# Altium PCB environment.PcbDoc
Units mm, origin at the board's own origin, x right, y up, seen from the top; angles counter-clockwise.
Board outline 92.27 x 90.27 mm, 2 copper layers (Top Layer, Bottom Layer); 142 components, 100 nets, 486 pads, 108 vias.
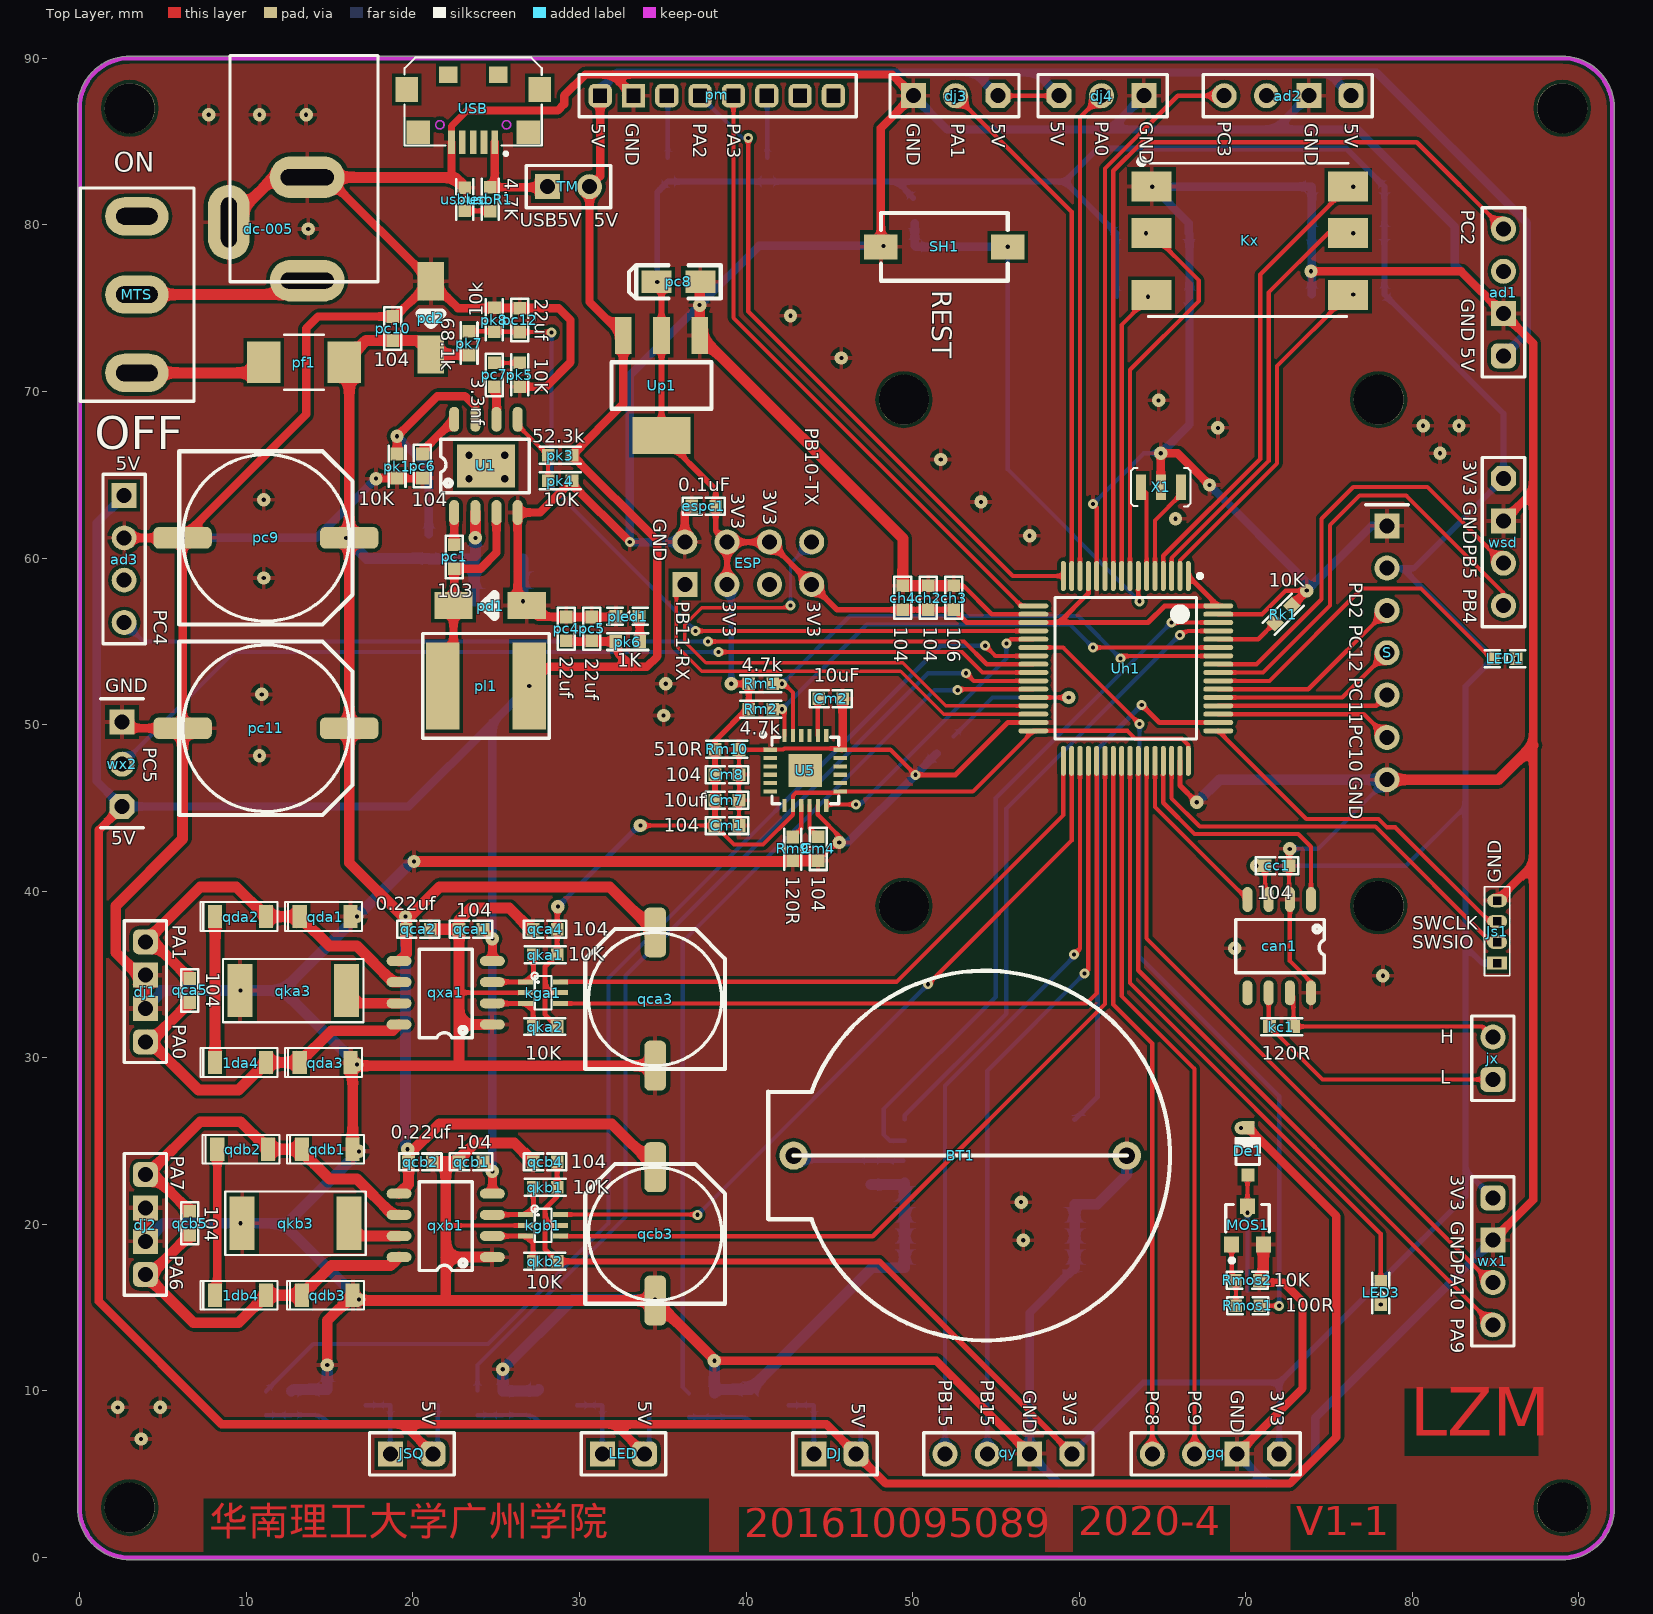
[diagram p0: Top Layer view]
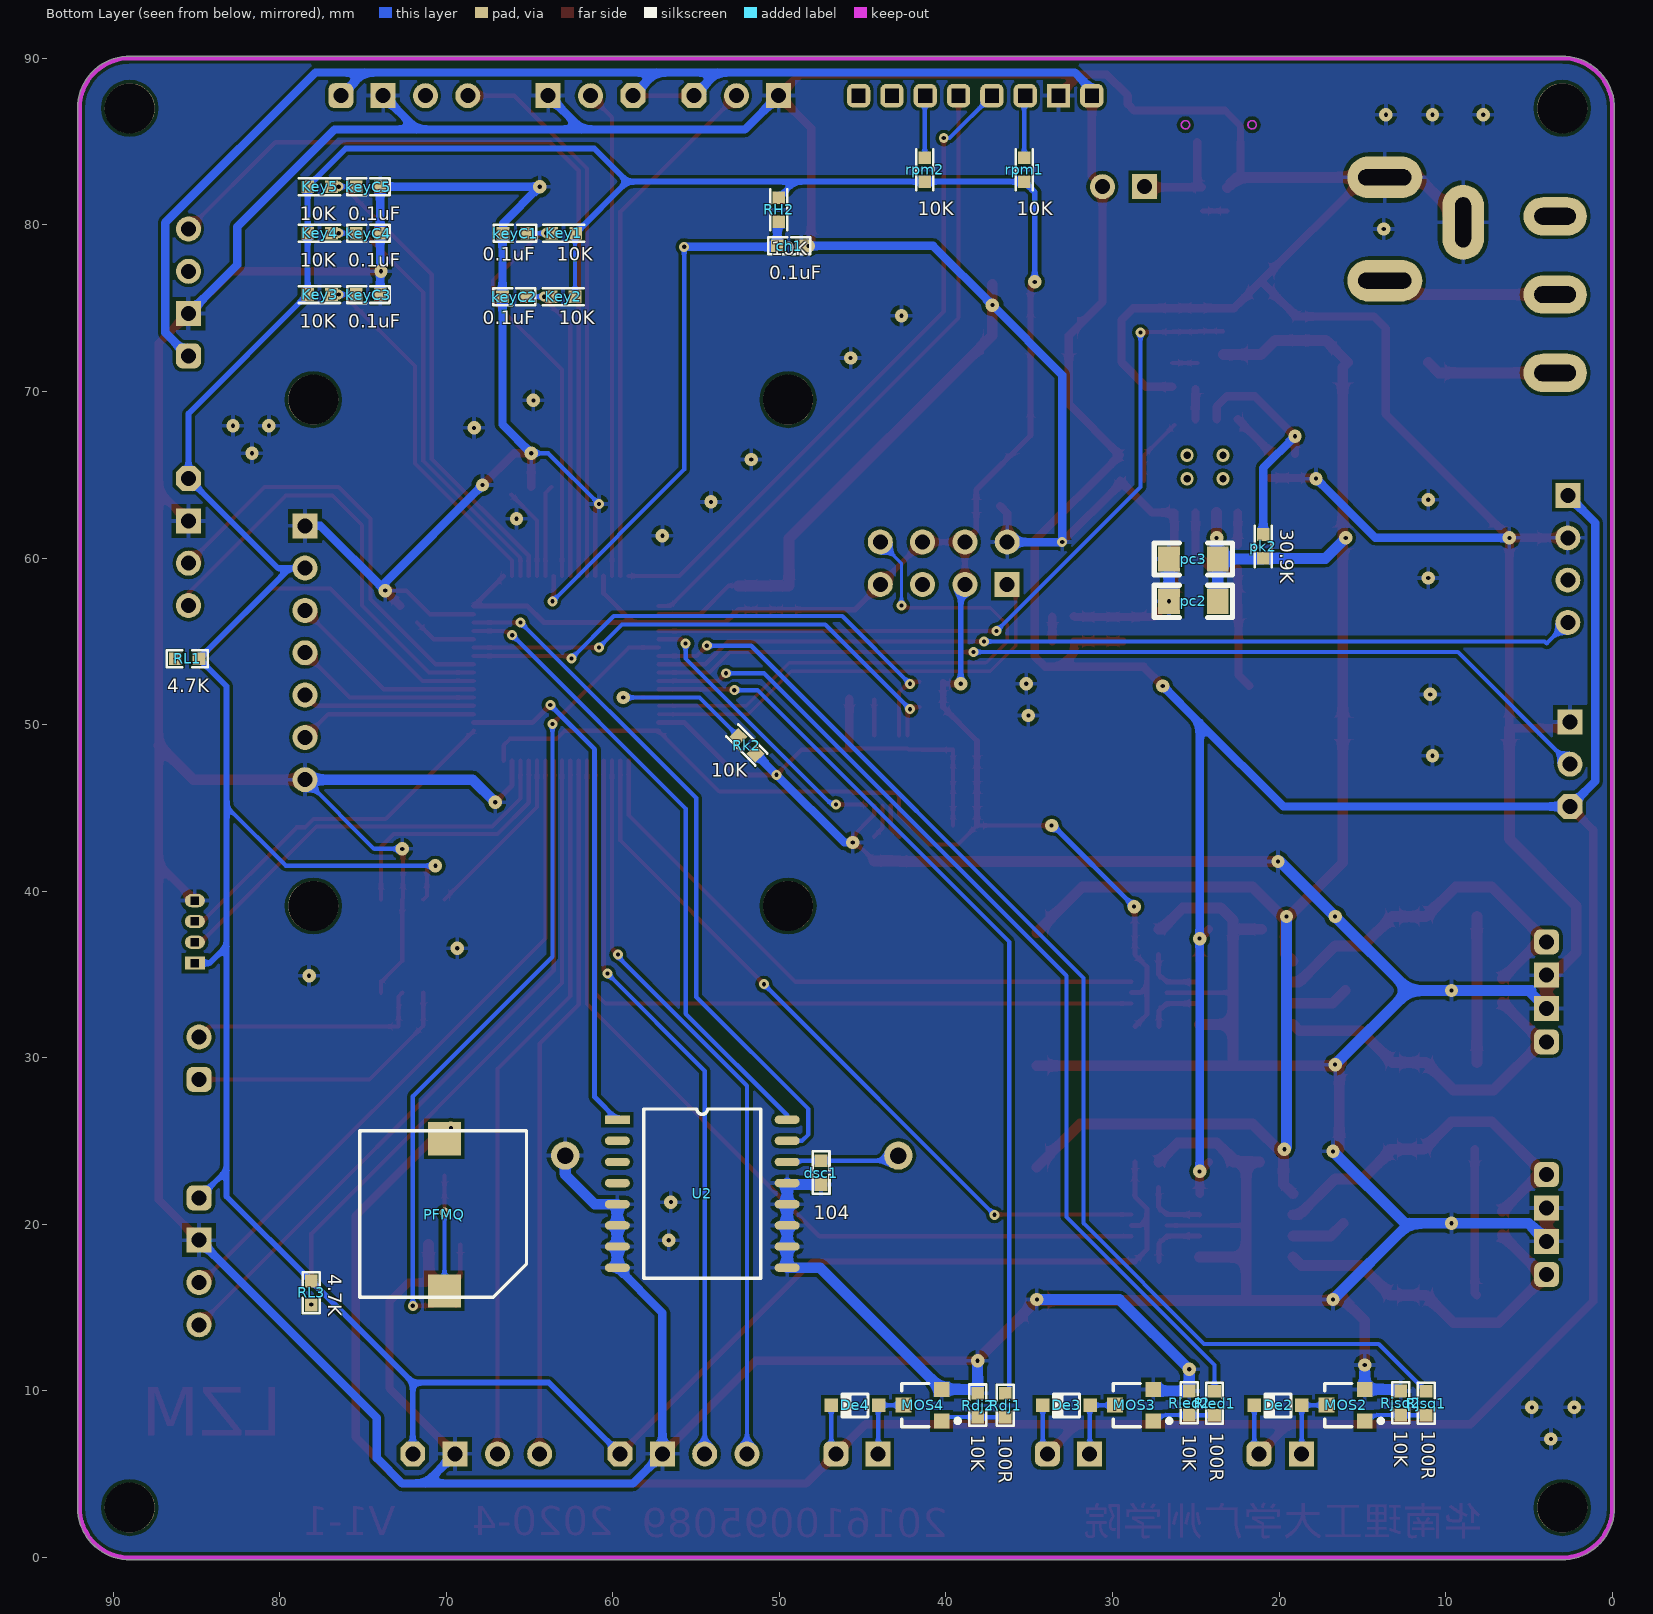
[diagram p1: Bottom Layer view, seen from below]

## Layer stack, top to bottom
Top Solder: solder mask 0.0102, Solder Resist, Dk 3.5
Top Layer: signal copper 0.0356
Dielectric 1: dielectric 0.32, FR-4, Dk 4.8
Bottom Layer: signal copper 0.0356
Bottom Solder: solder mask 0.0102, Solder Resist, Dk 3.5

## Board outline
-0.134,3.05 ccw(c3,3) 3.05,-0.134 ccw(c3.048,-0.006) 3.088,-0.127 88.912,-0.127 ccw(c88.952,-0.006) 88.95,-0.134 ccw(c89,3) 92.134,3 ccw(c89,3) 92.134,3.05 ccw(c92.006,3.048) 92.127,3.088 92.127,86.912 ccw(c92.006,86.952) 92.134,86.95 ccw(c89,87) 92.134,87 ccw(c89,87) 88.95,90.134 ccw(c88.952,90.006) 88.912,90.127 3.088,90.127 ccw(c3.048,90.006) 3.05,90.134 ccw(c3,87) -0.134,86.95 ccw(c-0.006,86.952) -0.127,86.912 -0.127,3.088 ccw(c-0.006,3.048)

## Design rules (kind name [scope] priority, off if disabled: settings)
Clearance [All] p1: gap=0.2
PolygonConnect [All] p1: connectstyle=Relief reliefconductorwidth=0.254 reliefentries=4 polygonreliefangle="90 Angle" airgapwidth=0.254
RoutingVias [All] p1: holewidth=0.711 width=1.27 viastyle="Through Hole" minholewidth=0.711 minwidth=1.27 maxholewidth=0.711 maxwidth=1.27
SolderMaskExpansion [All] p1: expansion=0.102
Width Width_1 [InNet('3V3')] p1: maxlimit=1 minlimit=0.2 preferedwidth=0.3
Width [All] p2: maxlimit=1 minlimit=0.2 preferedwidth=0.254
30 further rules are at their usual default settings.

## Components (designator, comment, footprint, x,y, rotation, side; value= is the part's Value field where it differs from the comment)
1da4 "dsk14" SOD-123 9.652,29.718 r180 top
1db4 "dsk14" SOD-123 9.652,15.748 r180 top
ad1 "ad输入" HDR1X4#1 85.471,72.136 r90 top
ad2 "ad输入" HDR1X4#1 76.327,87.757 r180 top
ad3 "ad输入" HDR1X4#2 2.667,63.754 r270 top
BT1 "VBAT" CR2032 54.356,24.13 r180 top
can1 "SN65HVD230" SOIC-8 72.009,36.703 r270 top
cc1 "104" C0603 71.882,41.529 r180 top
ch1 "0.1uF" C0603 49.403,78.74 r0 bottom
ch2 "104" C0603 50.94,57.62 r90 top
ch3 "106" C0603 52.464,57.62 r90 top
ch4 "104" C0603 49.416,57.62 r270 top
Cm1 "104" C0603 38.862,43.942 r180 top
Cm2 "10uF" C0603 45.085,51.562 r180 top
Cm4 "104" C0603 44.323,42.545 r90 top
Cm7 "10uf" C0603 38.862,45.466 r180 top
Cm8 "104" C0603 38.862,46.99 r180 top
dc-005 "3.5*1.3" DC-005 11.303,79.756 r270 top
De1 "BAT54WS" SOD-323 70.129,24.384 r270 top
De2 "BAT54WS" SOD-323 20.066,9.144 r180 bottom
De3 "BAT54WS" SOD-323 32.766,9.144 r180 bottom
De4 "BAT54WS" SOD-323 45.466,9.144 r180 bottom
DJ "电机" HDR1X2_2.54#1 46.609,6.223 r180 top
dj1 "接口" HDR1X4_2.0 3.937,36.957 r270 top
dj2 "接口" HDR1X4_2.0 3.937,22.987 r270 top
dj3 "舵机" HDR1X3_2.54 55.118,87.757 r180 top
dj4 "舵机" HDR1X3_2.54 58.801,87.757 r0 top
dsc1 "104" C0603 47.498,23.114 r270 bottom
ESP "Header 2X4" HDE2X4_2.54 36.322,58.42 r0 top
espc1 "0.1uF" C0603 37.465,63.119 r180 top
gq "光照强度" HDR1X4#3 72.009,6.223 r180 top
Js1 "SWD" 1X4_1_25 85.09,35.687 r90 top
JSQ "加湿器" HDR1X2_2.54#1 21.209,6.223 r180 top
jx "两脚接口" HDR1X2_2.54#2 84.836,31.242 r270 top
kc1 "120R" R0603 72.136,31.877 r0 top
Key1 "10K" R0603 62.954,79.504 r180 bottom
Key2 "10K" R0603 62.992,75.692 r180 bottom
Key3 "10K" R0603 77.597,75.819 r0 bottom
Key4 "10K" R0603 77.597,79.502 r0 bottom
Key5 "10K" R0603 77.597,82.296 r0 bottom
keyC1 "0.1uF" C0603 65.875,79.504 r180 bottom
keyC2 "0.1uF" C0603 65.913,75.692 r180 bottom
keyC3 "0.1uF" C0603 74.676,75.819 r0 bottom
keyC4 "0.1uF" C0603 74.676,79.502 r0 bottom
keyC5 "0.1uF" C0603 74.676,82.296 r0 bottom
kga1 "BL1551" SOT-363 27.813,33.909 r0 top
kgb1 "BL1551" SOT-363 27.813,19.939 r0 top
Kx "xiangdaoKey" daohangKey 69.85,79.502 r0 top
LED "灯" HDR1X2_2.54#1 33.909,6.223 r180 top
LED1 "BLUE" led0603 85.56,53.959 r180 top
LED3 "BLUE" led0603 78.105,15.875 r90 top
MOS1 "SI2302" SO-G3/C2.5 70.104,19.939 r0 top
MOS2 "SI2302" SO-G3/C2.5 16.002,9.144 r90 bottom
MOS3 "SI2302" SO-G3/C2.5 28.702,9.144 r90 bottom
MOS4 "SI2302" SO-G3/C2.5 41.402,9.144 r90 bottom
MTS "MTS" MTS-102 3.429,75.819 r90 top
pc1 "103" C0603 22.479,60.071 r90 top
pc2 "106-35" 1206 25.146,57.404 r180 bottom
pc3 "106-35" 1206 25.146,59.944 r180 bottom
pc4 "22uf" C0603 29.21,55.753 r270 top
pc5 "22uf" C0603 30.734,55.753 r270 top
pc6 "104" C0603 20.574,65.532 r270 top
pc7 "3.3nf" C0603 24.892,70.993 r90 top
pc8 "Cap Pol2" C1206钽 35.941,76.581 r180 top
pc9 "Cap Pol2" CED10 11.176,61.214 r180 top
pc10 "104" C0603 18.796,73.787 r270 top
pc11 "Cap Pol2" CED10 11.176,49.784 r180 top
pc12 "22uf" C0603 26.416,74.295 r270 top
pd1 "SS34" SMA(DO-214AC) 24.638,57.15 r180 top
pd2 "SS34" SMA(DO-214AC) 21.082,74.422 r270 top
pf1 "bxs" 2410 13.462,71.755 r0 top
PFMQ "蜂鳴器" FMQ_tp 75.184,15.621 r180 bottom
pk1 "10K" R0603 19.05,65.532 r270 top
pk2 "30.9K" R0603 20.955,60.706 r270 bottom
pk3 "52.3k" R0603 28.829,66.167 r0 top
pk4 "10K" R0603 28.829,64.643 r0 top
pk5 "10K" R0603 26.416,70.993 r90 top
pk6 "1K" R0603 32.893,54.991 r0 top
pk7 "68.1k" R0603 23.368,72.898 r90 top
pk8 "10k" R0603 24.892,74.295 r90 top
pl1 "10uH" 6028 24.384,52.324 r90 top
pled1 "bled" LED0603 32.893,56.515 r180 top
pm "pm2.5" HDR1X8_2.0 31.242,87.757 r0 top
qca1 "104" C0603 23.495,37.719 r180 top
qca2 "0.22uf" C0603 20.32,37.719 r0 top
qca3 "Cap Pol2" CED8 34.544,33.528 r270 top
qca4 "104" C0603 27.94,37.719 r0 top
qca5 "104" C0603 6.604,34.036 r90 top
qcb1 "104" C0603 23.495,23.749 r180 top
qcb2 "0.22uf" C0603 20.447,23.749 r0 top
qcb3 "Cap Pol2" CED8 34.544,19.431 r270 top
qcb4 "104" C0603 27.94,23.749 r0 top
qcb5 "104" C0603 6.604,20.066 r90 top
qda1 "dsk14" SOD-123 14.732,38.481 r180 top
qda2 "dsk14" SOD-123 9.652,38.481 r180 top
qda3 "dsk14" SOD-123 14.732,29.718 r180 top
qdb1 "dsk14" SOD-123 14.859,24.511 r180 top
qdb2 "dsk14" SOD-123 9.779,24.511 r180 top
qdb3 "dsk14" SOD-123 14.859,15.748 r180 top
qka1 "10K" R0603 27.94,36.195 r0 top
qka2 "10K" R0603 27.94,31.877 r180 top
qka3 "0.25Ω/1W" 2512 12.827,34.036 r180 top
qkb1 "10K" R0603 27.94,22.225 r0 top
qkb2 "10K" R0603 27.94,17.78 r180 top
qkb3 "0.25Ω/1W" 2512 12.954,20.066 r180 top
qxa1 "A4950" SOIC-8 21.971,33.909 r180 top
qxb1 "A4950" SOIC-8 21.971,19.939 r180 top
qy "大气压" HDR1X4#3 59.563,6.223 r180 top
Rdj1 "100R" 0603P 36.449,9.144 r270 bottom
Rdj2 "10K" 0603P 38.1,9.144 r90 bottom
RH2 "10K" R0603 50.038,80.899 r90 bottom
Rjsq1 "100R" 0603P 11.176,9.271 r270 bottom
Rjsq2 "10K" 0603P 12.7,9.271 r90 bottom
Rk1 "10K" R0603 72.263,56.642 r225 top
Rk2 "10K" R0603 51.943,48.768 r45 bottom
RL1 "4.7K" 0603P 85.56,53.962 r180 bottom
RL3 "4.7K" 0603P 78.108,15.875 r90 bottom
Rled1 "100R" 0603P 23.876,9.271 r270 bottom
Rled2 "10K" 0603P 25.4,9.271 r90 bottom
Rm1 "4.7k" R0603 40.894,52.451 r180 top
Rm2 "4.7k" R0603 40.894,50.927 r180 top
Rm9 "120R" R0603 42.799,42.545 r270 top
Rm10 "510R" R0603 38.862,48.514 r180 top
Rmos1 "100R" 0603P 70.129,15.113 r180 top
Rmos2 "10K" 0603P 70.079,16.637 r0 top
rpm1 "10K" R0603 35.306,83.312 r90 bottom
rpm2 "10K" R0603 41.275,83.312 r90 bottom
S "OLED" HDR1X7_2.54 78.478,61.937 r270 top
SH1 "SW_PB" KEY1 51.816,78.613 r0 top
TM "跳冒" HDR1X2_2.54#3 30.607,82.296 r180 top
U1 "MP2303ADN" MP2303A 24.384,65.532 r90 top
U2 "DS3231SN" DS3231SN 59.73,26.289 r0 bottom
U5 "MPU6050" QFN24 43.561,47.244 r0 top
Uh1 "STM32F103RC" LQFP64 66.548,58.928 r270 top
Up1 "AMS1117-3.3" LC-SOT-223 34.925,70.358 r270 top
USB "MICRO-USB" MICRO_USB5P_SOP 23.622,84.963 r0 top
usbled "BLUE" led0603 23.114,81.534 r90 top
usbR1 "4.7K" R0603 24.638,81.534 r90 top
wsd "温湿度" HDR1X4#3 85.471,64.77 r270 top
wx1 "USART1" HDR1X4#4 84.836,13.97 r90 top
wx2 "rgb引脚" HDR1X3_2.54 2.54,45.085 r90 top
X1 "8MHz" XTAL3215 64.897,64.262 r180 top

## Footprints (in the part's own frame and the unit in brackets; to place one, negate y for a bottom-side part, rotate by r counter-clockwise, add the part's x,y. Pads: shape width x height; smd on the part's side, far side on the other; paste and mask are expansions set on the pad)
1X4_1_25 [mm]
  rect 0.8x1.2 hole 0.48 square: 1(0,0)
  oval 0.8x1.2 hole 0.48 square: 2(1.25,0) 3(2.5,0) 4(3.75,0)
  silkscreen extent -0.76,-0.76 4.57,0.76
0603P [mil]
  rect 30x30 smd: 1(-28,0) 2(28.5,-0.06)
  silkscreen extent -48,-20 49,20
1206 [mil]
  rect 51.18x60 smd: 1(-57.5,0) 2(57.5,0)
  silkscreen extent -93,-38 93,38
2410 [mm]
  rect 2x2.5 smd: 1(-2.413,0) 2(2.413,0)
  silkscreen extent -1.2,-1.65 1.2,1.65
2512 [mm]
  rect 1.5x3.2 smd: 1(-3.2,0) 2(3.2,0)
  silkscreen extent -4.22,-1.9 4.22,1.9
6028 [mm]
  rect 5.2x2 smd: 1(0,2.6) 2(0,-2.6)
  silkscreen extent -3.15,-3.81 3.15,3.8
C0603 [mil]
  rect 30x30 smd: 1(-28,0) 2(28.5,-0.06)
  silkscreen extent -50,-20 50,20
C1206钽 [mm]
  rect 1.8x1.35 smd: 1(1.31,0) 2(-1.31,0)
  silkscreen extent -2.54,-1 2.97,1, body extent -1.7,-0.84 1.7,0.84, height 1.71
CED8 [mm] "底座为8*8的贴片点解电容"
  rrect50% 3x1.3 smd: 1(-4,0) 2(4,0)
  silkscreen extent -4.2,-4.2 4.2,4.2, body extent -3.5,-3.3 3.5,3.3, height 7.7
CED10 [mm] "电解电容"
  rrect50% 3.5x1.3 smd: 1(-5,0) 2(5,0)
  silkscreen extent -5.2,-5.2 5.2,5.2, body extent -4.47,-4.12 4.53,4.18, height 10.5
CR2032 [mm]
  round 1.7 hole 1: 1(11.5,0) 2(-8.5,0)
  silkscreen extent -11.1,-11.1 13.02,11.1
daohangKey [mm] "导向按键"
  rect 2.4x1.8 smd: 1(-5.5,2.8) 2(-5.5,0) 3(-5.5,-3.7) 4(6.3,2.8) 5(6.3,0) 6(6.3,-3.7)
  silkscreen extent -6.3,-5 6.3,4.5
DC-005 [mm]
  oval 2.5x4.5 hole 0.953 slot 3.2 at 90 deg: 1(3.1,2.35) 3(-3.1,2.35)
  oval 4.5x2.5 hole 0.953 slot 3 at 0 deg: 2(-0.4,-2.35)
  silkscreen extent -10.41,-2.29 3.18,6.6
DS3231SN [mm]
  rect 1.5x0.5 smd: 1(0,0)
  oval 1.5x0.5 smd: 2(0,1.27) 3(0,2.54) 4(0,3.81) 5(0,5.08) 6(0,6.35) 7(0,7.62) 8(0,8.89) 9(-10.2,8.89) 10(-10.2,7.62) 11(-10.2,6.35) 12(-10.2,5.08) 13(-10.2,3.81) 14(-10.2,2.54) 15(-10.2,1.27) 16(-10.2,0)
  silkscreen extent -8.61,-0.64 -1.58,9.53
FMQ_tp [mm] "Connector; Header; 6 Position"
  rect 2x2 smd: 1(5.08,9.525) 2(5.08,0.381)
  silkscreen extent 0,0 10,10
HDE2X4_2.54 [mm]
  rect 1.5x1.5 hole 0.9: 1(0,0)
  round 1.5 hole 0.9: 2(0,2.54) 3(2.54,0) 4(2.54,2.54) 5(5.08,0) 6(5.08,2.54) 7(7.62,0) 8(7.62,2.54)
HDR1X2_2.54#1 [mm] "Connector; Header; 6 Position"
  rrect50% 1.5x1.5 hole 0.9: 1(0,0)
  rect 1.5x1.5 hole 0.9: 2(2.54,0)
  silkscreen extent -1.27,-1.27 3.81,1.27
HDR1X2_2.54#2 [mm] "Connector; Header; 6 Position"
  round 1.5 hole 0.9: 1(0,0)
  rrect50% 1.5x1.5 hole 0.9: 2(2.54,0)
  silkscreen extent -1.27,-1.27 3.81,1.27
HDR1X2_2.54#3 [mm] "Connector; Header; 6 Position"
  round 1.5 hole 0.9: 1(0,0)
  rect 1.5x1.5 hole 0.9: 2(2.54,0)
  silkscreen extent -1.27,-1.27 3.81,1.27
HDR1X3_2.54 [mm] "Connector; Header; 6 Position"
  oct 1.5x1.5 hole 0.9: 1(0,0)
  round 1.5 hole 0.9: 2(2.54,0)
  rect 1.5x1.5 hole 0.9: 3(5.08,0)
  silkscreen extent -1.27,-1.27 6.48,1.27
HDR1X4#1 [mm] "Connector; Header; 4 Position"
  rrect50% 1.5x1.5 hole 0.9: 1(0,0)
  rect 1.5x1.5 hole 0.9: 2(2.54,0)
  round 1.5 hole 0.9: 3(5.08,0) 4(7.62,0)
  silkscreen extent -1.27,-1.27 8.89,1.27
HDR1X4#2 [mm] "Connector; Header; 4 Position"
  rect 1.5x1.5 hole 0.9: 1(0,0)
  round 1.5 hole 0.9: 2(2.54,0) 3(5.08,0) 4(7.62,0)
  silkscreen extent -1.27,-1.27 8.89,1.27
HDR1X4#3 [mm] "Connector; Header; 4 Position"
  oct 1.5x1.5 hole 0.9: 1(0,0)
  rect 1.5x1.5 hole 0.9: 2(2.54,0)
  round 1.5 hole 0.9: 3(5.08,0) 4(7.62,0)
  silkscreen extent -1.27,-1.27 8.89,1.27
HDR1X4#4 [mm] "Connector; Header; 4 Position"
  round 1.5 hole 0.9: 1(0,0) 2(2.54,0)
  rect 1.5x1.5 hole 0.9: 3(5.08,0)
  rrect50% 1.5x1.5 hole 0.9: 4(7.62,0)
  silkscreen extent -1.27,-1.27 8.89,1.27
HDR1X4_2.0 [mm] "Connector; Header; 6 Position"
  rrect50% 1.5x1.5 hole 0.9: 1(0,0) 4(6,0)
  rect 1.5x1.5 hole 0.9: 2(2,0) 3(4,0)
  silkscreen extent -1.27,-1.27 7.24,1.27
HDR1X7_2.54 [mm] "Connector; Header; 6 Position"
  rect 1.5x1.5 hole 0.9: 1(0,0)
  round 1.5 hole 0.9: 2(2.54,0) 3(5.08,0) 4(7.62,0) 5(10.16,0) 6(12.7,0) 7(15.24,0)
  silkscreen extent -1.27,-1.27 -1.27,1.27
HDR1X8_2.0 [mm] "Connector; Header; 6 Position"
  rrect50% 1.4x1.4 hole 0.82 square: 1(0,0) 3(4,0) 4(6,0) 5(8,0) 6(10,0) 7(12,0) 8(14,0)
  rect 1.4x1.4 hole 0.82 square: 2(2,0)
  silkscreen extent -1.27,-1.27 15.37,1.27
KEY1 [mm] "拨动开关"
  rect 2x1.5 smd: 1(-3.721,0.072) 2(3.899,0.072)
  silkscreen extent -3.72,-1.96 3.9,2.1
LC-SOT-223 [mm]
  rect 2.2x1 smd: 1(-3,2.3) 2(-3,0) 3(-3,-2.3)
  rect 2.2x3.5 smd: 4(3,0)
  silkscreen extent -1.4,-3 1.4,3, body extent -3.49,-3.24 3.49,3.24, height 1.64
led0603 [mil] "LED"
  rect 30x30 smd: 1(-27,0) 2(27.5,-0.06)
  silkscreen extent -48,-20 48,20
LED0603 [mil] "LED"
  rect 30x30 smd: 1(-27,0) 2(27.5,-0.06)
  silkscreen extent -48,-20 48,20
LQFP64 [mm]
  oval 1.8x0.3 smd: 1(0,0) 2(0,-0.5) 3(0,-1) 4(0,-1.5) 5(0,-2) 6(0,-2.5) 7(0,-3) 8(0,-3.5) 9(0,-4) 10(0,-4.5) 11(0,-5) 12(0,-5.5) 13(0,-6) 14(0,-6.5) 15(0,-7) 16(0,-7.5) 33(11.1,-7.5) 34(11.1,-7) 35(11.1,-6.5) 36(11.1,-6) 37(11.1,-5.5) 38(11.1,-5) 39(11.1,-4.5) 40(11.1,-4) 41(11.1,-3.5) 42(11.1,-3) 43(11.1,-2.5) 44(11.1,-2) 45(11.1,-1.5) 46(11.1,-1) 47(11.1,-0.5) 48(11.1,0)
  oval 0.3x1.8 smd: 17(1.8,-9.3) 18(2.3,-9.3) 19(2.8,-9.3) 20(3.3,-9.3) 21(3.8,-9.3) 22(4.3,-9.3) 23(4.8,-9.3) 24(5.3,-9.3) 25(5.8,-9.3) 26(6.3,-9.3) 27(6.8,-9.3) 28(7.3,-9.3) 29(7.8,-9.3) 30(8.3,-9.3) 31(8.8,-9.3) 32(9.3,-9.3) 49(9.3,1.8) 50(8.8,1.8) 51(8.3,1.8) 52(7.8,1.8) 53(7.3,1.8) 54(6.8,1.8) 55(6.3,1.8) 56(5.8,1.8) 57(5.3,1.8) 58(4.8,1.8) 59(4.3,1.8) 60(3.8,1.8) 61(3.3,1.8) 62(2.8,1.8) 63(2.3,1.8) 64(1.8,1.8)
  silkscreen extent -0.12,-8 9.8,0.83, body extent 0.55,-8.75 10.55,1.25, height 1.6
MICRO_USB5P_SOP [mm]
  rect 1.35x1.5 smd: 0(-4,3.16) 0(4,3.16)
  rect 1.4x1.4 smd: 0(-3.3,0.6) 0(3.3,0.6)
  rect 1.1x1 smd: 0(-1.5,4.046) 0(1.5,4.046)
  rect 0.4x1.4 smd: 1(1.3,0) 2(0.65,0) 3(0,0) 4(-0.65,0) 5(-1.3,0)
  Keep-Out Layer circle w0.1: c2,1.05 r0.25
  Keep-Out Layer circle w0.1: c-2,1.05 r0.25
  silkscreen extent -4.11,-0.79 4.11,5.08
MP2303A [mm]
  oval 1.5x0.6 smd: 1(-2.8,1.905) 2(-2.8,0.635) 3(-2.8,-0.635) 4(-2.8,-1.905) 5(2.8,-1.905) 6(2.8,-0.635) 7(2.8,0.635) 8(2.8,1.905)
  rect 2.6x3.5 smd: 9(0,0)
  silkscreen extent -1.6,-2.61 1.6,2.71
MTS-102 [mm]
  oval 2.3x3.8 hole 1 slot 2.5 at 90 deg: 1(-4.7,0) 2(0,0) 3(4.7,0)
  silkscreen extent -6.4,-3.43 6.4,3.4
QFN24 [mm] "QFN, 24-Leads, Body 4.0x4.0mm (max), Pitch 0.50mm, IPC Medium Density"
  rect 2x2 smd: 0(0,0)
  rect 0.8x0.25 smd: 1(-2.101,1.25) 2(-2.101,0.75) 3(-2.101,0.25) 4(-2.101,-0.25) 5(-2.101,-0.75) 6(-2.101,-1.25) 13(2.101,-1.25) 14(2.101,-0.75) 15(2.101,-0.25) 16(2.101,0.25) 17(2.101,0.75) 18(2.101,1.25)
  rect 0.25x0.8 smd: 7(-1.25,-2.101) 8(-0.75,-2.101) 9(-0.25,-2.101) 10(0.25,-2.101) 11(0.75,-2.101) 12(1.25,-2.101) 19(1.25,2.101) 20(0.75,2.101) 21(0.25,2.101) 22(-0.25,2.101) 23(-0.75,2.101) 24(-1.25,2.101)
  silkscreen extent -2.66,-2 2,2.28
R0603 [mil]
  rect 30x30 smd: 1(-28,0) 2(28.5,-0.06)
  silkscreen extent -48,-20 49,20
SMA(DO-214AC) [mm] "可用：ss34"
  rect 2.3x1.6 smd: 1(-2.2,0) 2(2.2,0)
  silkscreen extent -0.25,-0.64 0.38,0.64
SO-G3/C2.5 [mm]
  rect 0.9x0.95 smd: 1(-0.95,-1.148) 2(0.95,-1.148) 3(0,1.148)
  silkscreen extent -1.3,-2.23 1.3,1.25
SOD-123 [mm]
  rect 0.85x1.4 smd: 1(-1.525,0) 2(1.525,0)
  silkscreen extent -2.21,-0.86 2.41,0.86
SOD-323 [mm]
  rect 0.8x0.8 smd: 1(1.422,0) 2(-1.422,0)
  silkscreen extent -0.79,-0.74 0.79,0.69
SOIC-8 [mm] "a4950、mp2303a"
  oval 1.5x0.6 smd: 1(-2.8,1.905) 2(-2.8,0.635) 3(-2.8,-0.635) 4(-2.8,-1.905) 5(2.8,-1.905) 6(2.8,-0.635) 7(2.8,0.635) 8(2.8,1.905)
  silkscreen extent -1.6,-2.61 1.6,2.71
SOT-363 [mm]
  rect 0.9x0.3 smd: 1(-1.05,0.65) 2(-1.05,0) 3(-1.05,-0.65) 4(1.05,-0.65) 5(1.05,0) 6(1.05,0.65)
  silkscreen extent -0.7,-1 0.5,1.2
XTAL3215 [mm]
  rect 0.6x1.524 smd: 1(-1.2,0) 2(0,0) 3(1.2,0)
  silkscreen extent -1.78,-1.14 1.78,1.17

## Part data
1da4 1db4 pd1 pd2 qda1 qda2 qda3 qdb1 qdb2 qdb3: library part "D Schottky", "ST SS34"
ad1 ad2 ad3 dj1 dj2 gq qy wsd wx1: library part "Header 4", "Header, 4-Pin"
BT1: library part Battery, "Multicell Battery"
cc1 ch1 ch2 ch3 ch4 dsc1 espc1 keyC1 keyC2 keyC3 keyC4 keyC5 pc1 pc2 pc3 pc4 pc5 pc6 pc7 pc10 pc12 qca1 qca2 qca4 qca5 qcb1 qcb2 qcb4 qcb5: library part C
Cm1 Cm2 Cm4 Cm7 Cm8: library part Cap, "Capacitor"
dc-005: library part dc-005, "dc-005"
De1 De2 De3 De4: library part BAT54, "单肖特基二极管"